# KiCad board Thermister Board - Panel.kicad_pcb
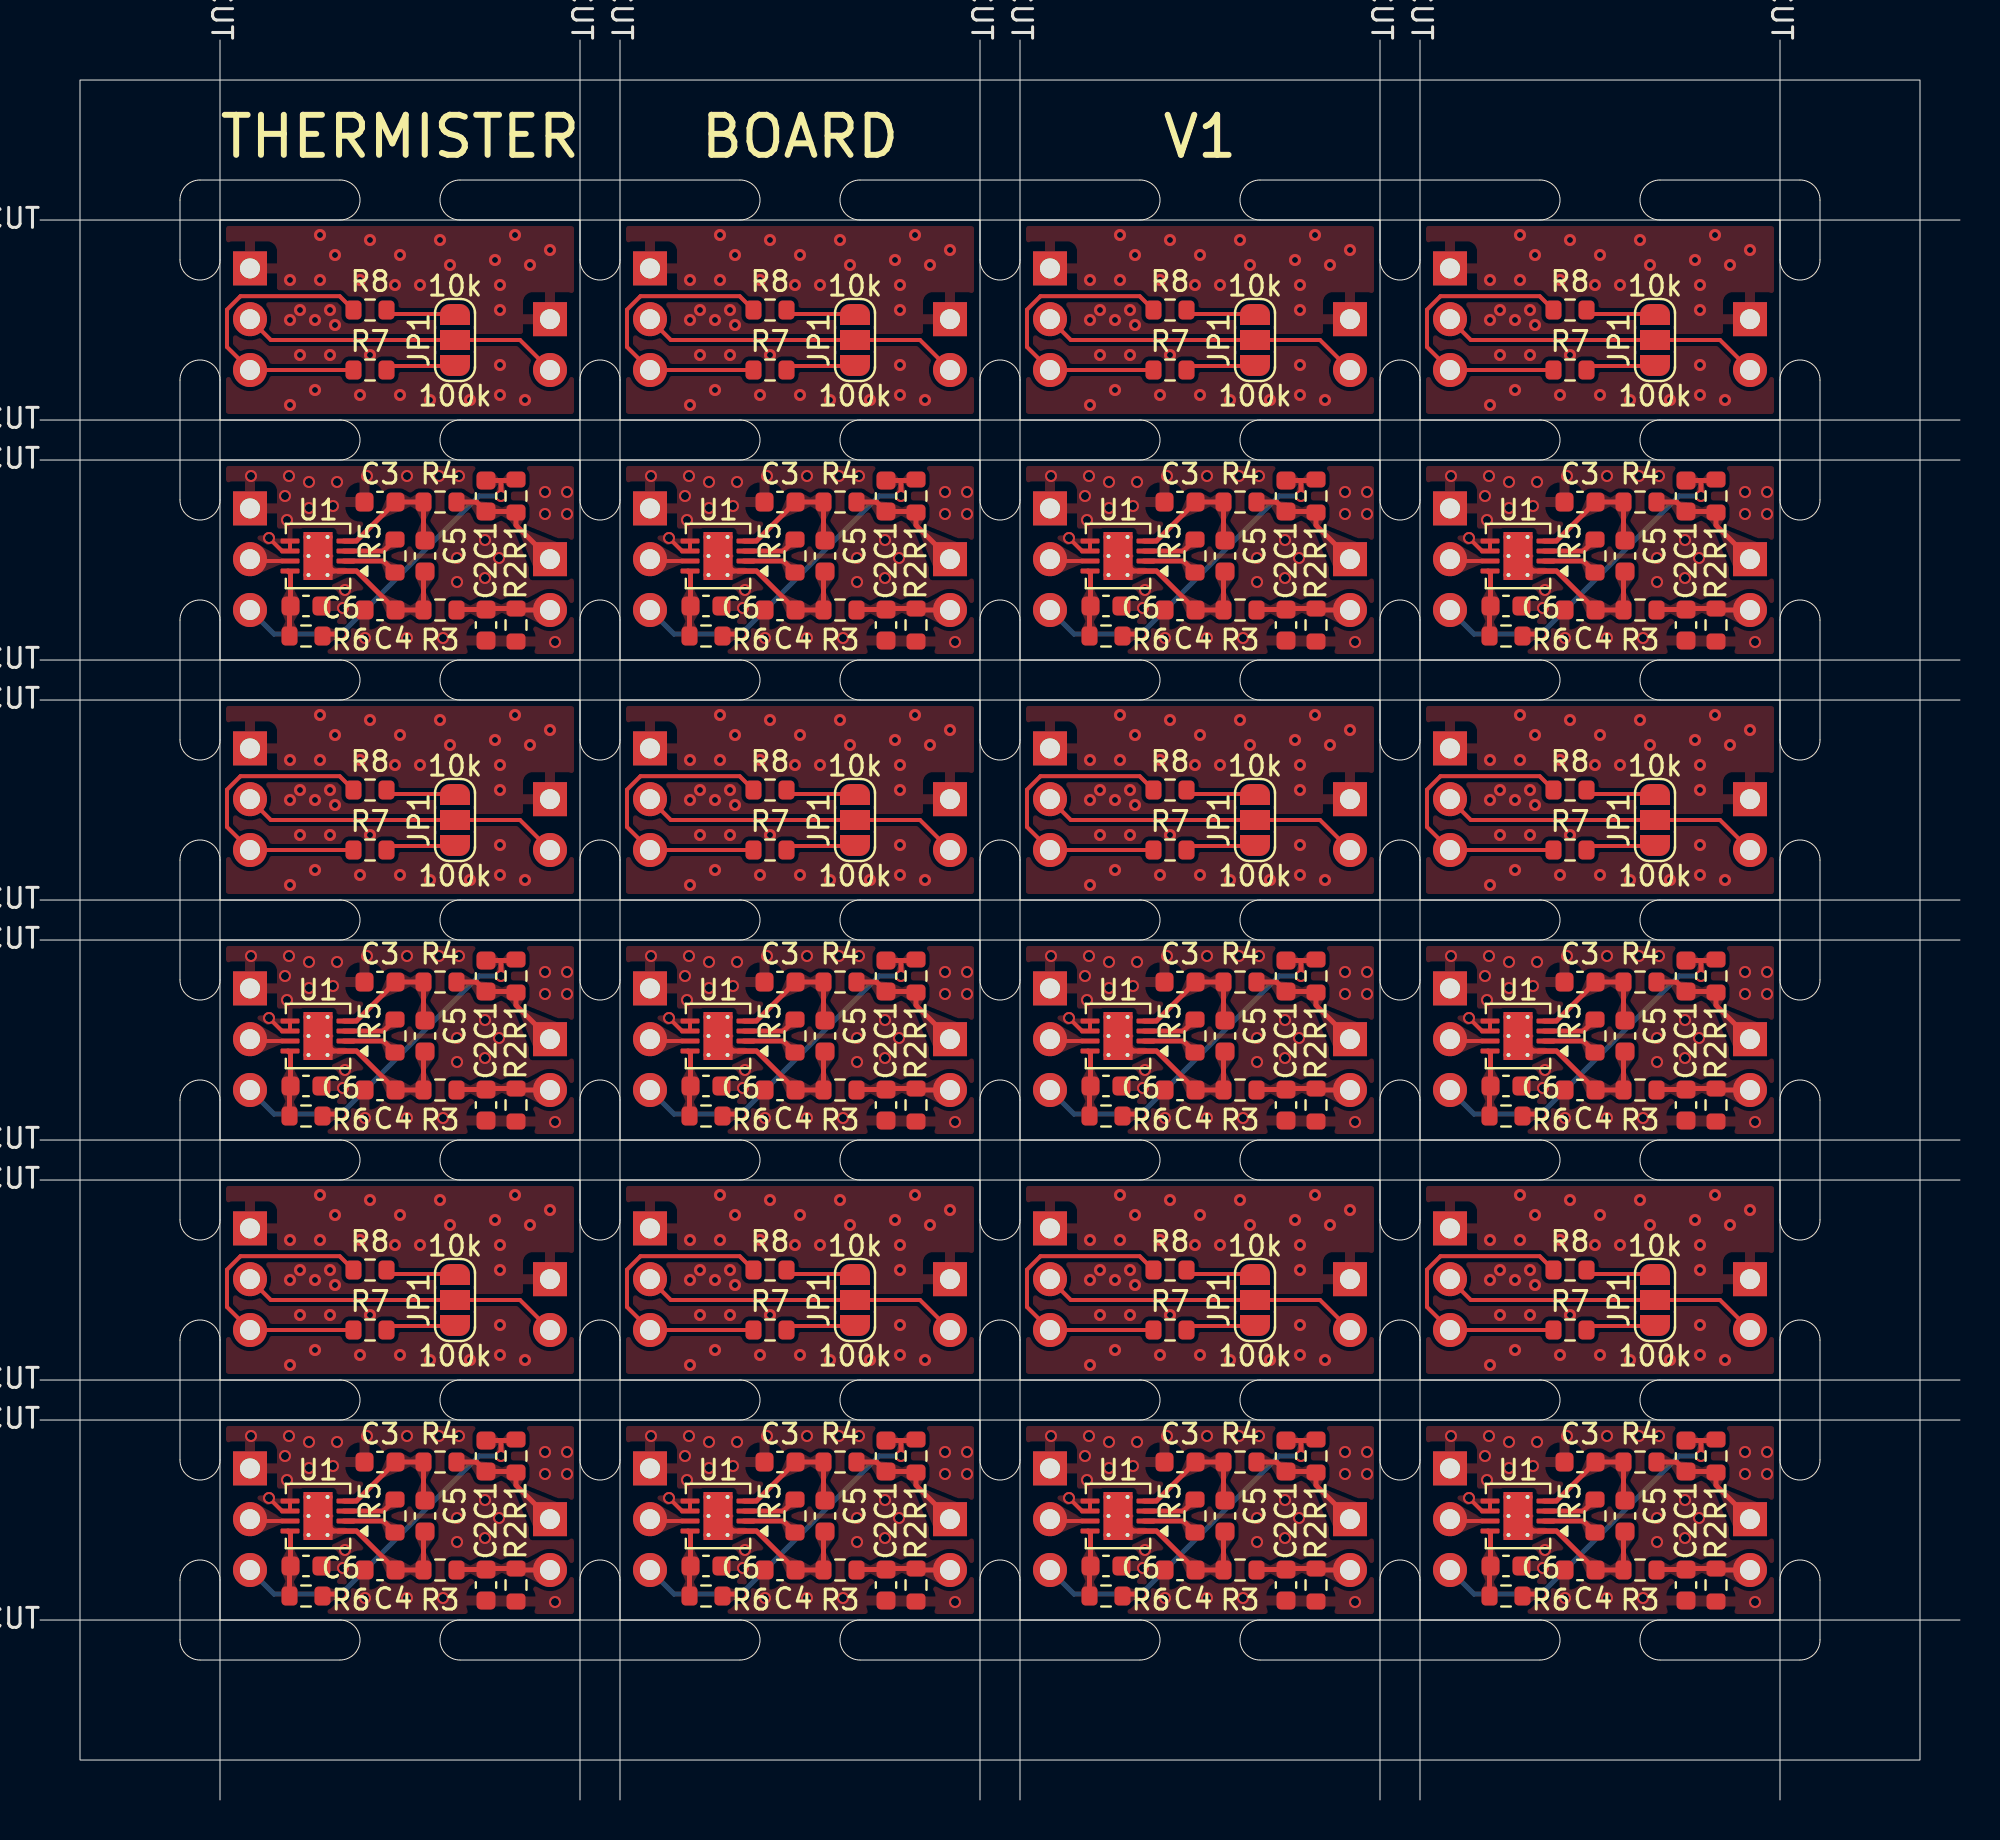
[diagram p0: board, top side]
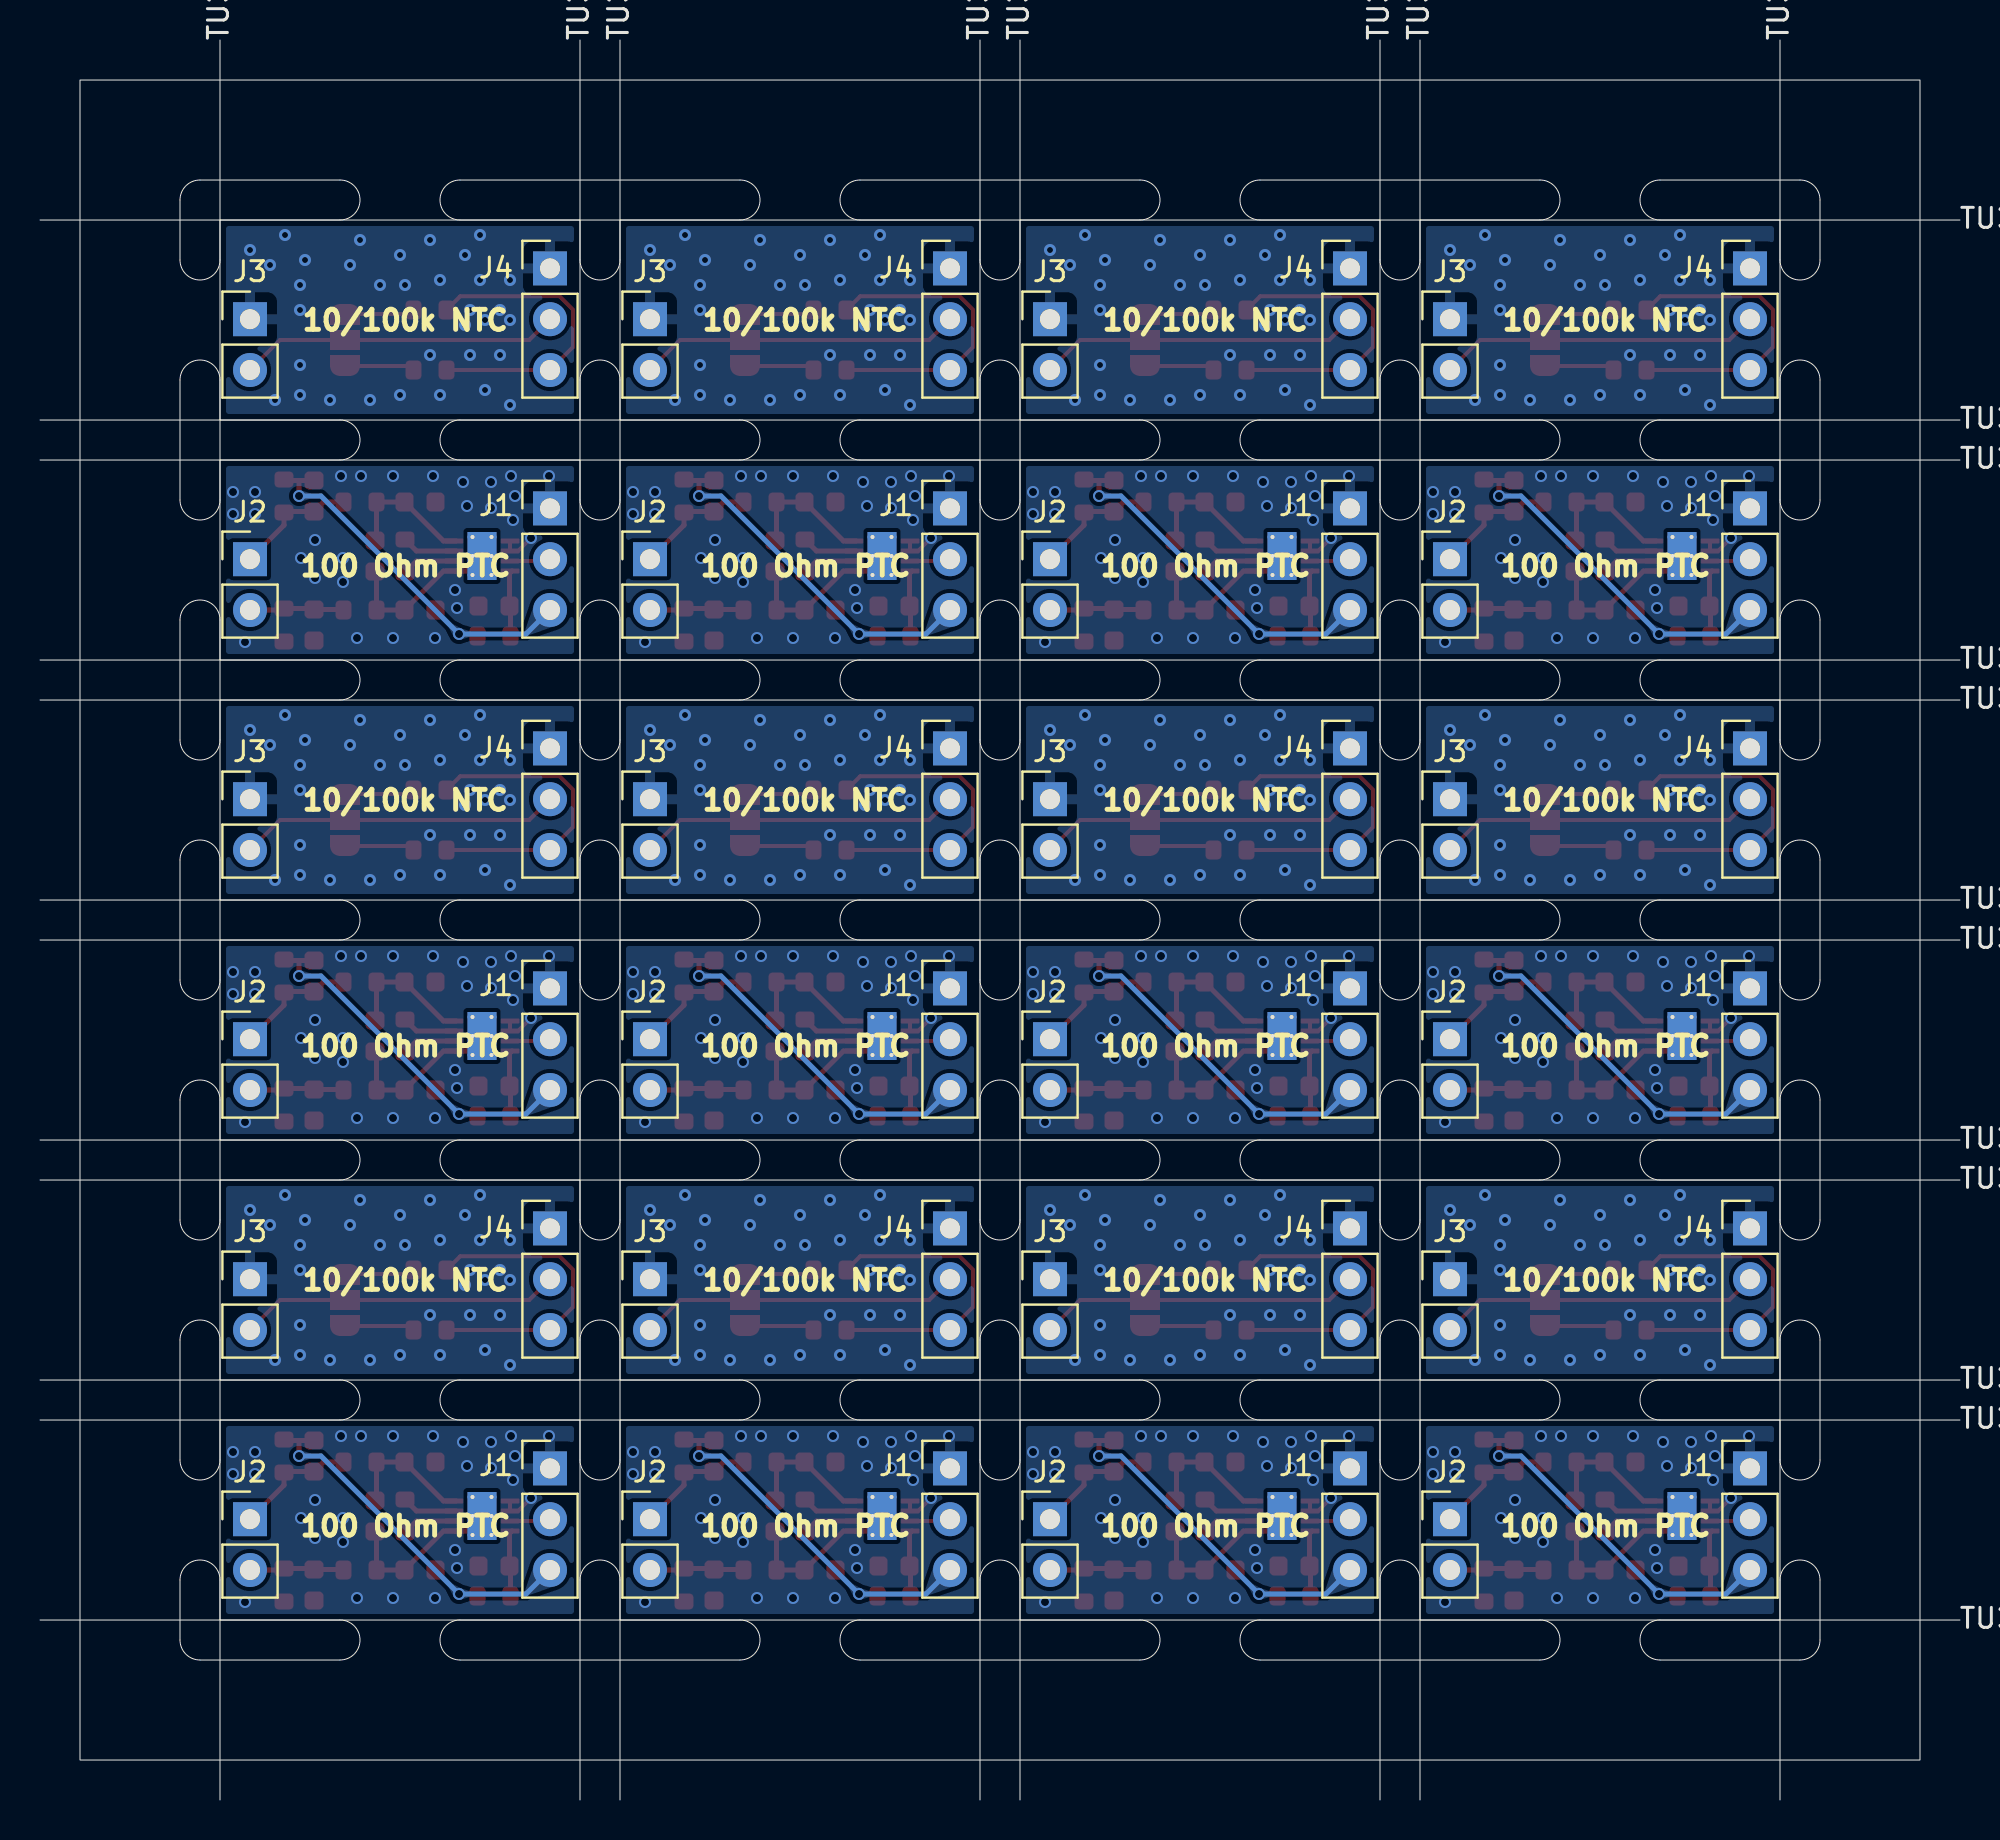
[diagram p1: board, bottom side, seen from below]

Outline 96 x 88 mm; copper layers: Top, Bottom. Coordinates in mm from the lower left corner of the outline.
Outline path: rectangle 2,86 94,2 ; 0,79 96,79 ; 0,69 96,69 ; 0,67 96,67 ; 0,57 96,57 ; 0,55 96,55 ; 0,45 96,45 ; 0,43 96,43 ; 0,33 96,33 ; 0,31 96,31 ; 0,21 96,21 ; 0,19 96,19 ; 0,9 96,9 ; 9,88 9,0 ; 27,88 27,0 ; 29,88 29,0 ; 47,88 47,0 ; 49,88 49,0 ; 67,88 67,0 ; 69,88 69,0 ; 87,88 87,0 ; 7,80 arc(7.29,80.71) 8,81 15,81 arc(16,80) 15,79 9,79 9,77 arc(8,76) 7,77 7,80 ; 7,71 7,65 arc(8,64) 9,65 9,67 15,67 arc(16,68) 15,69 9,69 9,71 arc(8,72) 7,71 ; 7,59 7,53 arc(8,52) 9,53 9,55 15,55 arc(16,56) 15,57 9,57 9,59 arc(8,60) 7,59 ; 7,47 7,41 arc(8,40) 9,41 9,43 15,43 arc(16,44) 15,45 9,45 9,47 arc(8,48) 7,47 ; 7,35 7,29 arc(8,28) 9,29 9,31 15,31 arc(16,32) 15,33 9,33 9,35 arc(8,36) 7,35 ; 7,23 7,17 arc(8,16) 9,17 9,19 15,19 arc(16,20) 15,21 9,21 9,23 arc(8,24) 7,23 ; 7,11 7,8 arc(7.29,7.29) 8,7 15,7 arc(16,8) 15,9 9,9 9,11 arc(8,12) 7,11 ; 21,81 35,81 arc(36,80) 35,79 29,79 29,77 arc(28,76) 27,77 27,79 21,79 arc(20,80) 21,81 ; 21,67 arc(20,68) 21,69 27,69 27,71 arc(28,72) 29,71 29,69 35,69 arc(36,68) 35,67 29,67 29,65 arc(28,64) 27,65 27,67 21,67 ; 21,55 arc(20,56) 21,57 27,57 27,59 arc(28,60) 29,59 29,57 35,57 arc(36,56) 35,55 29,55 29,53 arc(28,52) 27,53 27,55 21,55 ; 21,43 arc(20,44) 21,45 27,45 27,47 arc(28,48) 29,47 29,45 35,45 arc(36,44) 35,43 29,43 29,41 arc(28,40) 27,41 27,43 21,43 ; 21,31 arc(20,32) 21,33 27,33 27,35 arc(28,36) 29,35 29,33 35,33 arc(36,32) 35,31 29,31 29,29 arc(28,28) 27,29 27,31 21,31 ; 21,19 arc(20,20) 21,21 27,21 27,23 arc(28,24) 29,23 29,21 35,21 arc(36,20) 35,19 29,19 29,17 arc(28,16) 27,17 27,19 21,19 ; 21,9 27,9 27,11 arc(28,12) 29,11 29,9 35,9 arc(36,8) 35,7 21,7 arc(20,8) 21,9 ; 41,81 55,81 arc(56,80) 55,79 49,79 49,77 arc(48,76) 47,77 47,79 41,79 arc(40,80) 41,81 ; 41,67 arc(40,68) 41,69 47,69 47,71 arc(48,72) 49,71 49,69 55,69 arc(56,68) 55,67 49,67 49,65 arc(48,64) 47,65 47,67 41,67 ; 41,55 arc(40,56) 41,57 47,57 47,59 arc(48,60) 49,59 49,57 55,57 arc(56,56) 55,55 49,55 49,53 arc(48,52) 47,53 47,55 41,55 ; 41,43 arc(40,44) 41,45 47,45 47,47 arc(48,48) 49,47 49,45 55,45 arc(56,44) 55,43 49,43 49,41 arc(48,40) 47,41 47,43 41,43 ; 41,31 arc(40,32) 41,33 47,33 47,35 arc(48,36) 49,35 49,33 55,33 arc(56,32) 55,31 49,31 49,29 arc(48,28) 47,29 47,31 41,31 ; 41,19 arc(40,20) 41,21 47,21 47,23 arc(48,24) 49,23 49,21 55,21 arc(56,20) 55,19 49,19 49,17 arc(48,16) 47,17 47,19 41,19 ; 41,9 47,9 47,11 arc(48,12) 49,11 49,9 55,9 arc(56,8) 55,7 41,7 arc(40,8) 41,9 ; 61,81 75,81 arc(76,80) 75,79 69,79 69,77 arc(68,76) 67,77 67,79 61,79 arc(60,80) 61,81 ; 61,67 arc(60,68) 61,69 67,69 67,71 arc(68,72) 69,71 69,69 75,69 arc(76,68) 75,67 69,67 69,65 arc(68,64) 67,65 67,67 61,67 ; 61,55 arc(60,56) 61,57 67,57 67,59 arc(68,60) 69,59 69,57 75,57 arc(76,56) 75,55 69,55 69,53 arc(68,52) 67,53 67,55 61,55 ; 61,43 arc(60,44) 61,45 67,45 67,47 arc(68,48) 69,47 69,45 75,45 arc(76,44) 75,43 69,43 69,41 arc(68,40) 67,41 67,43 61,43 ; 61,31 arc(60,32) 61,33 67,33 67,35 arc(68,36) 69,35 69,33 75,33 arc(76,32) 75,31 69,31 69,29 arc(68,28) 67,29 67,31 61,31 ; 61,19 arc(60,20) 61,21 67,21 67,23 arc(68,24) 69,23 69,21 75,21 arc(76,20) 75,19 69,19 69,17 arc(68,16) 67,17 67,19 61,19 ; 61,9 67,9 67,11 arc(68,12) 69,11 69,9 75,9 arc(76,8) 75,7 61,7 arc(60,8) 61,9 ; 81,79 arc(80,80) 81,81 88,81 arc(88.71,80.71) 89,80 89,77 arc(88,76) 87,77 87,79 81,79 ; 81,69 87,69 87,71 arc(88,72) 89,71 89,65 arc(88,64) 87,65 87,67 81,67 arc(80,68) 81,69 ; 81,57 87,57 87,59 arc(88,60) 89,59 89,53 arc(88,52) 87,53 87,55 81,55 arc(80,56) 81,57 ; 81,45 87,45 87,47 arc(88,48) 89,47 89,41 arc(88,40) 87,41 87,43 81,43 arc(80,44) 81,45 ; 81,33 87,33 87,35 arc(88,36) 89,35 89,29 arc(88,28) 87,29 87,31 81,31 arc(80,32) 81,33 ; 81,21 87,21 87,23 arc(88,24) 89,23 89,17 arc(88,16) 87,17 87,19 81,19 arc(80,20) 81,21 ; 81,7 arc(80,8) 81,9 87,9 87,11 arc(88,12) 89,11 89,8 arc(88.71,7.29) 88,7 81,7

## Placement (name value [footprint] x y rotation side)
C1  100n  [C_0603_1608Metric]  42.3 65.2 270 top
C1#2  100n  [C_0603_1608Metric]  82.3 65.2 270 top
C1#3  100n  [C_0603_1608Metric]  42.3 41.2 270 top
C1#4  100n  [C_0603_1608Metric]  62.3 41.2 270 top
C1#5  100n  [C_0603_1608Metric]  42.3 17.2 270 top
C1#6  100n  [C_0603_1608Metric]  22.3 65.2 270 top
C1#7  100n  [C_0603_1608Metric]  62.3 17.2 270 top
C1#8  100n  [C_0603_1608Metric]  22.3 41.2 270 top
C1#9  100n  [C_0603_1608Metric]  62.3 65.2 270 top
C1#10  100n  [C_0603_1608Metric]  82.3 17.2 270 top
C1#11  100n  [C_0603_1608Metric]  82.3 41.2 270 top
C1#12  100n  [C_0603_1608Metric]  22.3 17.2 270 top
C2  100n  [C_0603_1608Metric]  22.3 34.75 270 top
C2#2  100n  [C_0603_1608Metric]  62.3 10.75 270 top
C2#3  100n  [C_0603_1608Metric]  42.3 10.75 270 top
C2#4  100n  [C_0603_1608Metric]  82.3 58.75 270 top
C2#5  100n  [C_0603_1608Metric]  62.3 34.75 270 top
C2#6  100n  [C_0603_1608Metric]  82.3 34.75 270 top
C2#7  100n  [C_0603_1608Metric]  82.3 10.75 270 top
C2#8  100n  [C_0603_1608Metric]  42.3 58.75 270 top
C2#9  100n  [C_0603_1608Metric]  42.3 34.75 270 top
C2#10  100n  [C_0603_1608Metric]  22.3 58.75 270 top
C2#11  100n  [C_0603_1608Metric]  62.3 58.75 270 top
C2#12  100n  [C_0603_1608Metric]  22.3 10.75 270 top
C3  100n  [C_0603_1608Metric]  17 16.9 0 top
C3#2  100n  [C_0603_1608Metric]  37 64.9 0 top
C3#3  100n  [C_0603_1608Metric]  57 64.9 0 top
C3#4  100n  [C_0603_1608Metric]  17 64.9 0 top
C3#5  100n  [C_0603_1608Metric]  57 16.9 0 top
C3#6  100n  [C_0603_1608Metric]  37 16.9 0 top
C3#7  100n  [C_0603_1608Metric]  17 40.9 0 top
C3#8  100n  [C_0603_1608Metric]  77 16.9 0 top
C3#9  100n  [C_0603_1608Metric]  57 40.9 0 top
C3#10  100n  [C_0603_1608Metric]  77 40.9 0 top
C3#11  100n  [C_0603_1608Metric]  77 64.9 0 top
C3#12  100n  [C_0603_1608Metric]  37 40.9 0 top
C4  100n  [C_0603_1608Metric]  77 59.5 180 top
C4#2  100n  [C_0603_1608Metric]  57 59.5 180 top
C4#3  100n  [C_0603_1608Metric]  37 59.5 180 top
C4#4  100n  [C_0603_1608Metric]  37 11.5 180 top
C4#5  100n  [C_0603_1608Metric]  57 11.5 180 top
C4#6  100n  [C_0603_1608Metric]  17 35.5 180 top
C4#7  100n  [C_0603_1608Metric]  77 11.5 180 top
C4#8  100n  [C_0603_1608Metric]  57 35.5 180 top
C4#9  100n  [C_0603_1608Metric]  37 35.5 180 top
C4#10  100n  [C_0603_1608Metric]  77 35.5 180 top
C4#11  100n  [C_0603_1608Metric]  17 59.5 180 top
C4#12  100n  [C_0603_1608Metric]  17 11.5 180 top
C5  1µ  [C_0603_1608Metric]  39.25 62.2 270 top
C5#2  1µ  [C_0603_1608Metric]  19.25 14.2 270 top
C5#3  1µ  [C_0603_1608Metric]  19.25 38.2 270 top
C5#4  1µ  [C_0603_1608Metric]  59.25 14.2 270 top
C5#5  1µ  [C_0603_1608Metric]  59.25 62.2 270 top
C5#6  1µ  [C_0603_1608Metric]  79.25 14.2 270 top
C5#7  1µ  [C_0603_1608Metric]  59.25 38.2 270 top
C5#8  1µ  [C_0603_1608Metric]  79.25 62.2 270 top
C5#9  1µ  [C_0603_1608Metric]  39.25 38.2 270 top
C5#10  1µ  [C_0603_1608Metric]  39.25 14.2 270 top
C5#11  1µ  [C_0603_1608Metric]  19.25 62.2 270 top
C5#12  1µ  [C_0603_1608Metric]  79.25 38.2 270 top
C6  100n  [C_0603_1608Metric]  13.3 59.7 0 top
C6#2  100n  [C_0603_1608Metric]  53.3 59.7 0 top
C6#3  100n  [C_0603_1608Metric]  33.3 35.7 0 top
C6#4  100n  [C_0603_1608Metric]  73.3 59.7 0 top
C6#5  100n  [C_0603_1608Metric]  53.3 11.7 0 top
C6#6  100n  [C_0603_1608Metric]  33.3 11.7 0 top
C6#7  100n  [C_0603_1608Metric]  53.3 35.7 0 top
C6#8  100n  [C_0603_1608Metric]  13.3 11.7 0 top
C6#9  100n  [C_0603_1608Metric]  73.3 11.7 0 top
C6#10  100n  [C_0603_1608Metric]  13.3 35.7 0 top
C6#11  100n  [C_0603_1608Metric]  73.3 35.7 0 top
C6#12  100n  [C_0603_1608Metric]  33.3 59.7 0 top
J1  Conn_01x03  [PinHeader_1x03_P2.54mm_Vertical]  70.5 64.58 180 bottom
J1#2  Conn_01x03  [PinHeader_1x03_P2.54mm_Vertical]  30.5 16.58 180 bottom
J1#3  Conn_01x03  [PinHeader_1x03_P2.54mm_Vertical]  50.5 40.58 180 bottom
J1#4  Conn_01x03  [PinHeader_1x03_P2.54mm_Vertical]  30.5 64.58 180 bottom
J1#5  Conn_01x03  [PinHeader_1x03_P2.54mm_Vertical]  10.5 16.58 180 bottom
J1#6  Conn_01x03  [PinHeader_1x03_P2.54mm_Vertical]  50.5 64.58 180 bottom
J1#7  Conn_01x03  [PinHeader_1x03_P2.54mm_Vertical]  50.5 16.58 180 bottom
J1#8  Conn_01x03  [PinHeader_1x03_P2.54mm_Vertical]  10.5 40.58 180 bottom
J1#9  Conn_01x03  [PinHeader_1x03_P2.54mm_Vertical]  10.5 64.58 180 bottom
J1#10  Conn_01x03  [PinHeader_1x03_P2.54mm_Vertical]  30.5 40.58 180 bottom
J1#11  Conn_01x03  [PinHeader_1x03_P2.54mm_Vertical]  70.5 40.58 180 bottom
J1#12  Conn_01x03  [PinHeader_1x03_P2.54mm_Vertical]  70.5 16.58 180 bottom
J2  Conn_01x02  [PinHeader_1x02_P2.54mm_Vertical]  65.5 14.04 180 bottom
J2#2  Conn_01x02  [PinHeader_1x02_P2.54mm_Vertical]  85.5 38.04 180 bottom
J2#3  Conn_01x02  [PinHeader_1x02_P2.54mm_Vertical]  25.5 38.04 180 bottom
J2#4  Conn_01x02  [PinHeader_1x02_P2.54mm_Vertical]  65.5 38.04 180 bottom
J2#5  Conn_01x02  [PinHeader_1x02_P2.54mm_Vertical]  85.5 62.04 180 bottom
J2#6  Conn_01x02  [PinHeader_1x02_P2.54mm_Vertical]  25.5 62.04 180 bottom
J2#7  Conn_01x02  [PinHeader_1x02_P2.54mm_Vertical]  65.5 62.04 180 bottom
J2#8  Conn_01x02  [PinHeader_1x02_P2.54mm_Vertical]  45.5 38.04 180 bottom
J2#9  Conn_01x02  [PinHeader_1x02_P2.54mm_Vertical]  85.5 14.04 180 bottom
J2#10  Conn_01x02  [PinHeader_1x02_P2.54mm_Vertical]  25.5 14.04 180 bottom
J2#11  Conn_01x02  [PinHeader_1x02_P2.54mm_Vertical]  45.5 62.04 180 bottom
J2#12  Conn_01x02  [PinHeader_1x02_P2.54mm_Vertical]  45.5 14.04 180 bottom
J3  Conn_01x02  [PinHeader_1x02_P2.54mm_Vertical]  45.5 26.04 180 bottom
J3#2  Conn_01x02  [PinHeader_1x02_P2.54mm_Vertical]  85.5 50.04 180 bottom
J3#3  Conn_01x02  [PinHeader_1x02_P2.54mm_Vertical]  65.5 26.04 180 bottom
J3#4  Conn_01x02  [PinHeader_1x02_P2.54mm_Vertical]  25.5 50.04 180 bottom
J3#5  Conn_01x02  [PinHeader_1x02_P2.54mm_Vertical]  25.5 26.04 180 bottom
J3#6  Conn_01x02  [PinHeader_1x02_P2.54mm_Vertical]  65.5 50.04 180 bottom
J3#7  Conn_01x02  [PinHeader_1x02_P2.54mm_Vertical]  65.5 74.04 180 bottom
J3#8  Conn_01x02  [PinHeader_1x02_P2.54mm_Vertical]  45.5 50.04 180 bottom
J3#9  Conn_01x02  [PinHeader_1x02_P2.54mm_Vertical]  85.5 74.04 180 bottom
J3#10  Conn_01x02  [PinHeader_1x02_P2.54mm_Vertical]  25.5 74.04 180 bottom
J3#11  Conn_01x02  [PinHeader_1x02_P2.54mm_Vertical]  45.5 74.04 180 bottom
J3#12  Conn_01x02  [PinHeader_1x02_P2.54mm_Vertical]  85.5 26.04 180 bottom
J4  Conn_01x03  [PinHeader_1x03_P2.54mm_Vertical]  30.5 76.58 180 bottom
J4#2  Conn_01x03  [PinHeader_1x03_P2.54mm_Vertical]  10.5 28.58 180 bottom
J4#3  Conn_01x03  [PinHeader_1x03_P2.54mm_Vertical]  30.5 28.58 180 bottom
J4#4  Conn_01x03  [PinHeader_1x03_P2.54mm_Vertical]  10.5 52.58 180 bottom
J4#5  Conn_01x03  [PinHeader_1x03_P2.54mm_Vertical]  70.5 28.58 180 bottom
J4#6  Conn_01x03  [PinHeader_1x03_P2.54mm_Vertical]  10.5 76.58 180 bottom
J4#7  Conn_01x03  [PinHeader_1x03_P2.54mm_Vertical]  70.5 76.58 180 bottom
J4#8  Conn_01x03  [PinHeader_1x03_P2.54mm_Vertical]  70.5 52.58 180 bottom
J4#9  Conn_01x03  [PinHeader_1x03_P2.54mm_Vertical]  50.5 28.58 180 bottom
J4#10  Conn_01x03  [PinHeader_1x03_P2.54mm_Vertical]  50.5 52.58 180 bottom
J4#11  Conn_01x03  [PinHeader_1x03_P2.54mm_Vertical]  50.5 76.58 180 bottom
J4#12  Conn_01x03  [PinHeader_1x03_P2.54mm_Vertical]  30.5 52.58 180 bottom
JP1  SolderJumper  [SolderJumper-3_P1.3mm_Open_RoundedPad1.0x1.5mm_NumberLabels]  40.75 49 90 top
JP1#2  SolderJumper  [SolderJumper-3_P1.3mm_Open_RoundedPad1.0x1.5mm_NumberLabels]  20.75 25 90 top
JP1#3  SolderJumper  [SolderJumper-3_P1.3mm_Open_RoundedPad1.0x1.5mm_NumberLabels]  20.75 73 90 top
JP1#4  SolderJumper  [SolderJumper-3_P1.3mm_Open_RoundedPad1.0x1.5mm_NumberLabels]  60.75 49 90 top
JP1#5  SolderJumper  [SolderJumper-3_P1.3mm_Open_RoundedPad1.0x1.5mm_NumberLabels]  20.75 49 90 top
JP1#6  SolderJumper  [SolderJumper-3_P1.3mm_Open_RoundedPad1.0x1.5mm_NumberLabels]  40.75 73 90 top
JP1#7  SolderJumper  [SolderJumper-3_P1.3mm_Open_RoundedPad1.0x1.5mm_NumberLabels]  80.75 25 90 top
JP1#8  SolderJumper  [SolderJumper-3_P1.3mm_Open_RoundedPad1.0x1.5mm_NumberLabels]  60.75 73 90 top
JP1#9  SolderJumper  [SolderJumper-3_P1.3mm_Open_RoundedPad1.0x1.5mm_NumberLabels]  40.75 25 90 top
JP1#10  SolderJumper  [SolderJumper-3_P1.3mm_Open_RoundedPad1.0x1.5mm_NumberLabels]  60.75 25 90 top
JP1#11  SolderJumper  [SolderJumper-3_P1.3mm_Open_RoundedPad1.0x1.5mm_NumberLabels]  80.75 73 90 top
JP1#12  SolderJumper  [SolderJumper-3_P1.3mm_Open_RoundedPad1.0x1.5mm_NumberLabels]  80.75 49 90 top
R1  2k2  [R_0603_1608Metric]  83.8 65.2 270 top
R1#2  2k2  [R_0603_1608Metric]  63.8 17.2 270 top
R1#3  2k2  [R_0603_1608Metric]  83.8 17.2 270 top
R1#4  2k2  [R_0603_1608Metric]  43.8 17.2 270 top
R1#5  2k2  [R_0603_1608Metric]  83.8 41.2 270 top
R1#6  2k2  [R_0603_1608Metric]  63.8 65.2 270 top
R1#7  2k2  [R_0603_1608Metric]  43.8 41.2 270 top
R1#8  2k2  [R_0603_1608Metric]  43.8 65.2 270 top
R1#9  2k2  [R_0603_1608Metric]  23.8 65.2 270 top
R1#10  2k2  [R_0603_1608Metric]  23.8 41.2 270 top
R1#11  2k2  [R_0603_1608Metric]  63.8 41.2 270 top
R1#12  2k2  [R_0603_1608Metric]  23.8 17.2 270 top
R2  2k2  [R_0603_1608Metric]  83.8 10.75 270 top
R2#2  2k2  [R_0603_1608Metric]  43.8 58.75 270 top
R2#3  2k2  [R_0603_1608Metric]  63.8 58.75 270 top
R2#4  2k2  [R_0603_1608Metric]  83.8 58.75 270 top
R2#5  2k2  [R_0603_1608Metric]  23.8 34.75 270 top
R2#6  2k2  [R_0603_1608Metric]  23.8 58.75 270 top
R2#7  2k2  [R_0603_1608Metric]  23.8 10.75 270 top
R2#8  2k2  [R_0603_1608Metric]  63.8 34.75 270 top
R2#9  2k2  [R_0603_1608Metric]  63.8 10.75 270 top
R2#10  2k2  [R_0603_1608Metric]  43.8 34.75 270 top
R2#11  2k2  [R_0603_1608Metric]  43.8 10.75 270 top
R2#12  2k2  [R_0603_1608Metric]  83.8 34.75 270 top
R3  10k  [R_0603_1608Metric]  40 59.5 0 top
R3#2  10k  [R_0603_1608Metric]  60 11.5 0 top
R3#3  10k  [R_0603_1608Metric]  80 59.5 0 top
R3#4  10k  [R_0603_1608Metric]  20 59.5 0 top
R3#5  10k  [R_0603_1608Metric]  80 35.5 0 top
R3#6  10k  [R_0603_1608Metric]  40 35.5 0 top
R3#7  10k  [R_0603_1608Metric]  60 59.5 0 top
R3#8  10k  [R_0603_1608Metric]  80 11.5 0 top
R3#9  10k  [R_0603_1608Metric]  40 11.5 0 top
R3#10  10k  [R_0603_1608Metric]  20 35.5 0 top
R3#11  10k  [R_0603_1608Metric]  60 35.5 0 top
R3#12  10k  [R_0603_1608Metric]  20 11.5 0 top
R4  10k  [R_0603_1608Metric]  80 64.9 0 top
R4#2  10k  [R_0603_1608Metric]  20 40.9 0 top
R4#3  10k  [R_0603_1608Metric]  80 16.9 0 top
R4#4  10k  [R_0603_1608Metric]  40 16.9 0 top
R4#5  10k  [R_0603_1608Metric]  60 40.9 0 top
R4#6  10k  [R_0603_1608Metric]  60 16.9 0 top
R4#7  10k  [R_0603_1608Metric]  20 64.9 0 top
R4#8  10k  [R_0603_1608Metric]  60 64.9 0 top
R4#9  10k  [R_0603_1608Metric]  40 40.9 0 top
R4#10  10k  [R_0603_1608Metric]  80 40.9 0 top
R4#11  10k  [R_0603_1608Metric]  20 16.9 0 top
R4#12  10k  [R_0603_1608Metric]  40 64.9 0 top
R5  5k49  [R_0603_1608Metric]  77.75 38.2 90 top
R5#2  5k49  [R_0603_1608Metric]  77.75 62.2 90 top
R5#3  5k49  [R_0603_1608Metric]  57.75 38.2 90 top
R5#4  5k49  [R_0603_1608Metric]  17.75 38.2 90 top
R5#5  5k49  [R_0603_1608Metric]  17.75 62.2 90 top
R5#6  5k49  [R_0603_1608Metric]  37.75 38.2 90 top
R5#7  5k49  [R_0603_1608Metric]  37.75 62.2 90 top
R5#8  5k49  [R_0603_1608Metric]  57.75 62.2 90 top
R5#9  5k49  [R_0603_1608Metric]  77.75 14.2 90 top
R5#10  5k49  [R_0603_1608Metric]  17.75 14.2 90 top
R5#11  5k49  [R_0603_1608Metric]  57.75 14.2 90 top
R5#12  5k49  [R_0603_1608Metric]  37.75 14.2 90 top
R6  100R  [R_0603_1608Metric]  33.3 34.2 180 top
R6#2  100R  [R_0603_1608Metric]  53.3 34.2 180 top
R6#3  100R  [R_0603_1608Metric]  33.3 58.2 180 top
R6#4  100R  [R_0603_1608Metric]  13.3 58.2 180 top
R6#5  100R  [R_0603_1608Metric]  73.3 10.2 180 top
R6#6  100R  [R_0603_1608Metric]  73.3 34.2 180 top
R6#7  100R  [R_0603_1608Metric]  13.3 34.2 180 top
R6#8  100R  [R_0603_1608Metric]  33.3 10.2 180 top
R6#9  100R  [R_0603_1608Metric]  73.3 58.2 180 top
R6#10  100R  [R_0603_1608Metric]  53.3 10.2 180 top
R6#11  100R  [R_0603_1608Metric]  53.3 58.2 180 top
R6#12  100R  [R_0603_1608Metric]  13.3 10.2 180 top
R7  100k  [R_0603_1608Metric]  76.5 71.5 0 top
R7#2  100k  [R_0603_1608Metric]  56.5 71.5 0 top
R7#3  100k  [R_0603_1608Metric]  16.5 47.5 0 top
R7#4  100k  [R_0603_1608Metric]  36.5 23.5 0 top
R7#5  100k  [R_0603_1608Metric]  56.5 23.5 0 top
R7#6  100k  [R_0603_1608Metric]  36.5 47.5 0 top
R7#7  100k  [R_0603_1608Metric]  16.5 71.5 0 top
R7#8  100k  [R_0603_1608Metric]  16.5 23.5 0 top
R7#9  100k  [R_0603_1608Metric]  76.5 47.5 0 top
R7#10  100k  [R_0603_1608Metric]  56.5 47.5 0 top
R7#11  100k  [R_0603_1608Metric]  36.5 71.5 0 top
R7#12  100k  [R_0603_1608Metric]  76.5 23.5 0 top
R8  10k  [R_0603_1608Metric]  36.5 50.5 0 top
R8#2  10k  [R_0603_1608Metric]  16.5 74.5 0 top
R8#3  10k  [R_0603_1608Metric]  76.5 74.5 0 top
R8#4  10k  [R_0603_1608Metric]  36.5 26.5 0 top
R8#5  10k  [R_0603_1608Metric]  16.5 26.5 0 top
R8#6  10k  [R_0603_1608Metric]  56.5 26.5 0 top
R8#7  10k  [R_0603_1608Metric]  56.5 74.5 0 top
R8#8  10k  [R_0603_1608Metric]  56.5 50.5 0 top
R8#9  10k  [R_0603_1608Metric]  76.5 50.5 0 top
R8#10  10k  [R_0603_1608Metric]  36.5 74.5 0 top
R8#11  10k  [R_0603_1608Metric]  16.5 50.5 0 top
R8#12  10k  [R_0603_1608Metric]  76.5 26.5 0 top
U1  INA826AIDRGR  [WSON-8-1EP_3x3mm_P0.5mm_EP1.45x2.4mm_ThermalVias]  53.9 14.2 180 top
U1#2  INA826AIDRGR  [WSON-8-1EP_3x3mm_P0.5mm_EP1.45x2.4mm_ThermalVias]  33.9 38.2 180 top
U1#3  INA826AIDRGR  [WSON-8-1EP_3x3mm_P0.5mm_EP1.45x2.4mm_ThermalVias]  33.9 14.2 180 top
U1#4  INA826AIDRGR  [WSON-8-1EP_3x3mm_P0.5mm_EP1.45x2.4mm_ThermalVias]  73.9 14.2 180 top
U1#5  INA826AIDRGR  [WSON-8-1EP_3x3mm_P0.5mm_EP1.45x2.4mm_ThermalVias]  53.9 38.2 180 top
U1#6  INA826AIDRGR  [WSON-8-1EP_3x3mm_P0.5mm_EP1.45x2.4mm_ThermalVias]  13.9 14.2 180 top
U1#7  INA826AIDRGR  [WSON-8-1EP_3x3mm_P0.5mm_EP1.45x2.4mm_ThermalVias]  73.9 62.2 180 top
U1#8  INA826AIDRGR  [WSON-8-1EP_3x3mm_P0.5mm_EP1.45x2.4mm_ThermalVias]  13.9 38.2 180 top
U1#9  INA826AIDRGR  [WSON-8-1EP_3x3mm_P0.5mm_EP1.45x2.4mm_ThermalVias]  73.9 38.2 180 top
U1#10  INA826AIDRGR  [WSON-8-1EP_3x3mm_P0.5mm_EP1.45x2.4mm_ThermalVias]  33.9 62.2 180 top
U1#11  INA826AIDRGR  [WSON-8-1EP_3x3mm_P0.5mm_EP1.45x2.4mm_ThermalVias]  13.9 62.2 180 top
U1#12  INA826AIDRGR  [WSON-8-1EP_3x3mm_P0.5mm_EP1.45x2.4mm_ThermalVias]  53.9 62.2 180 top
